# Altium PCB PCM2912_CODEC_PANEL.PcbDoc (part 3 of 3)
Units mil, origin at the board's own origin, x right, y up, seen from the top; angles counter-clockwise.
Board outline 3937.01 x 3937.01 mil, 2 copper layers (Top Layer, Bottom Layer); 208 components, 0 nets, 668 pads, 268 vias.
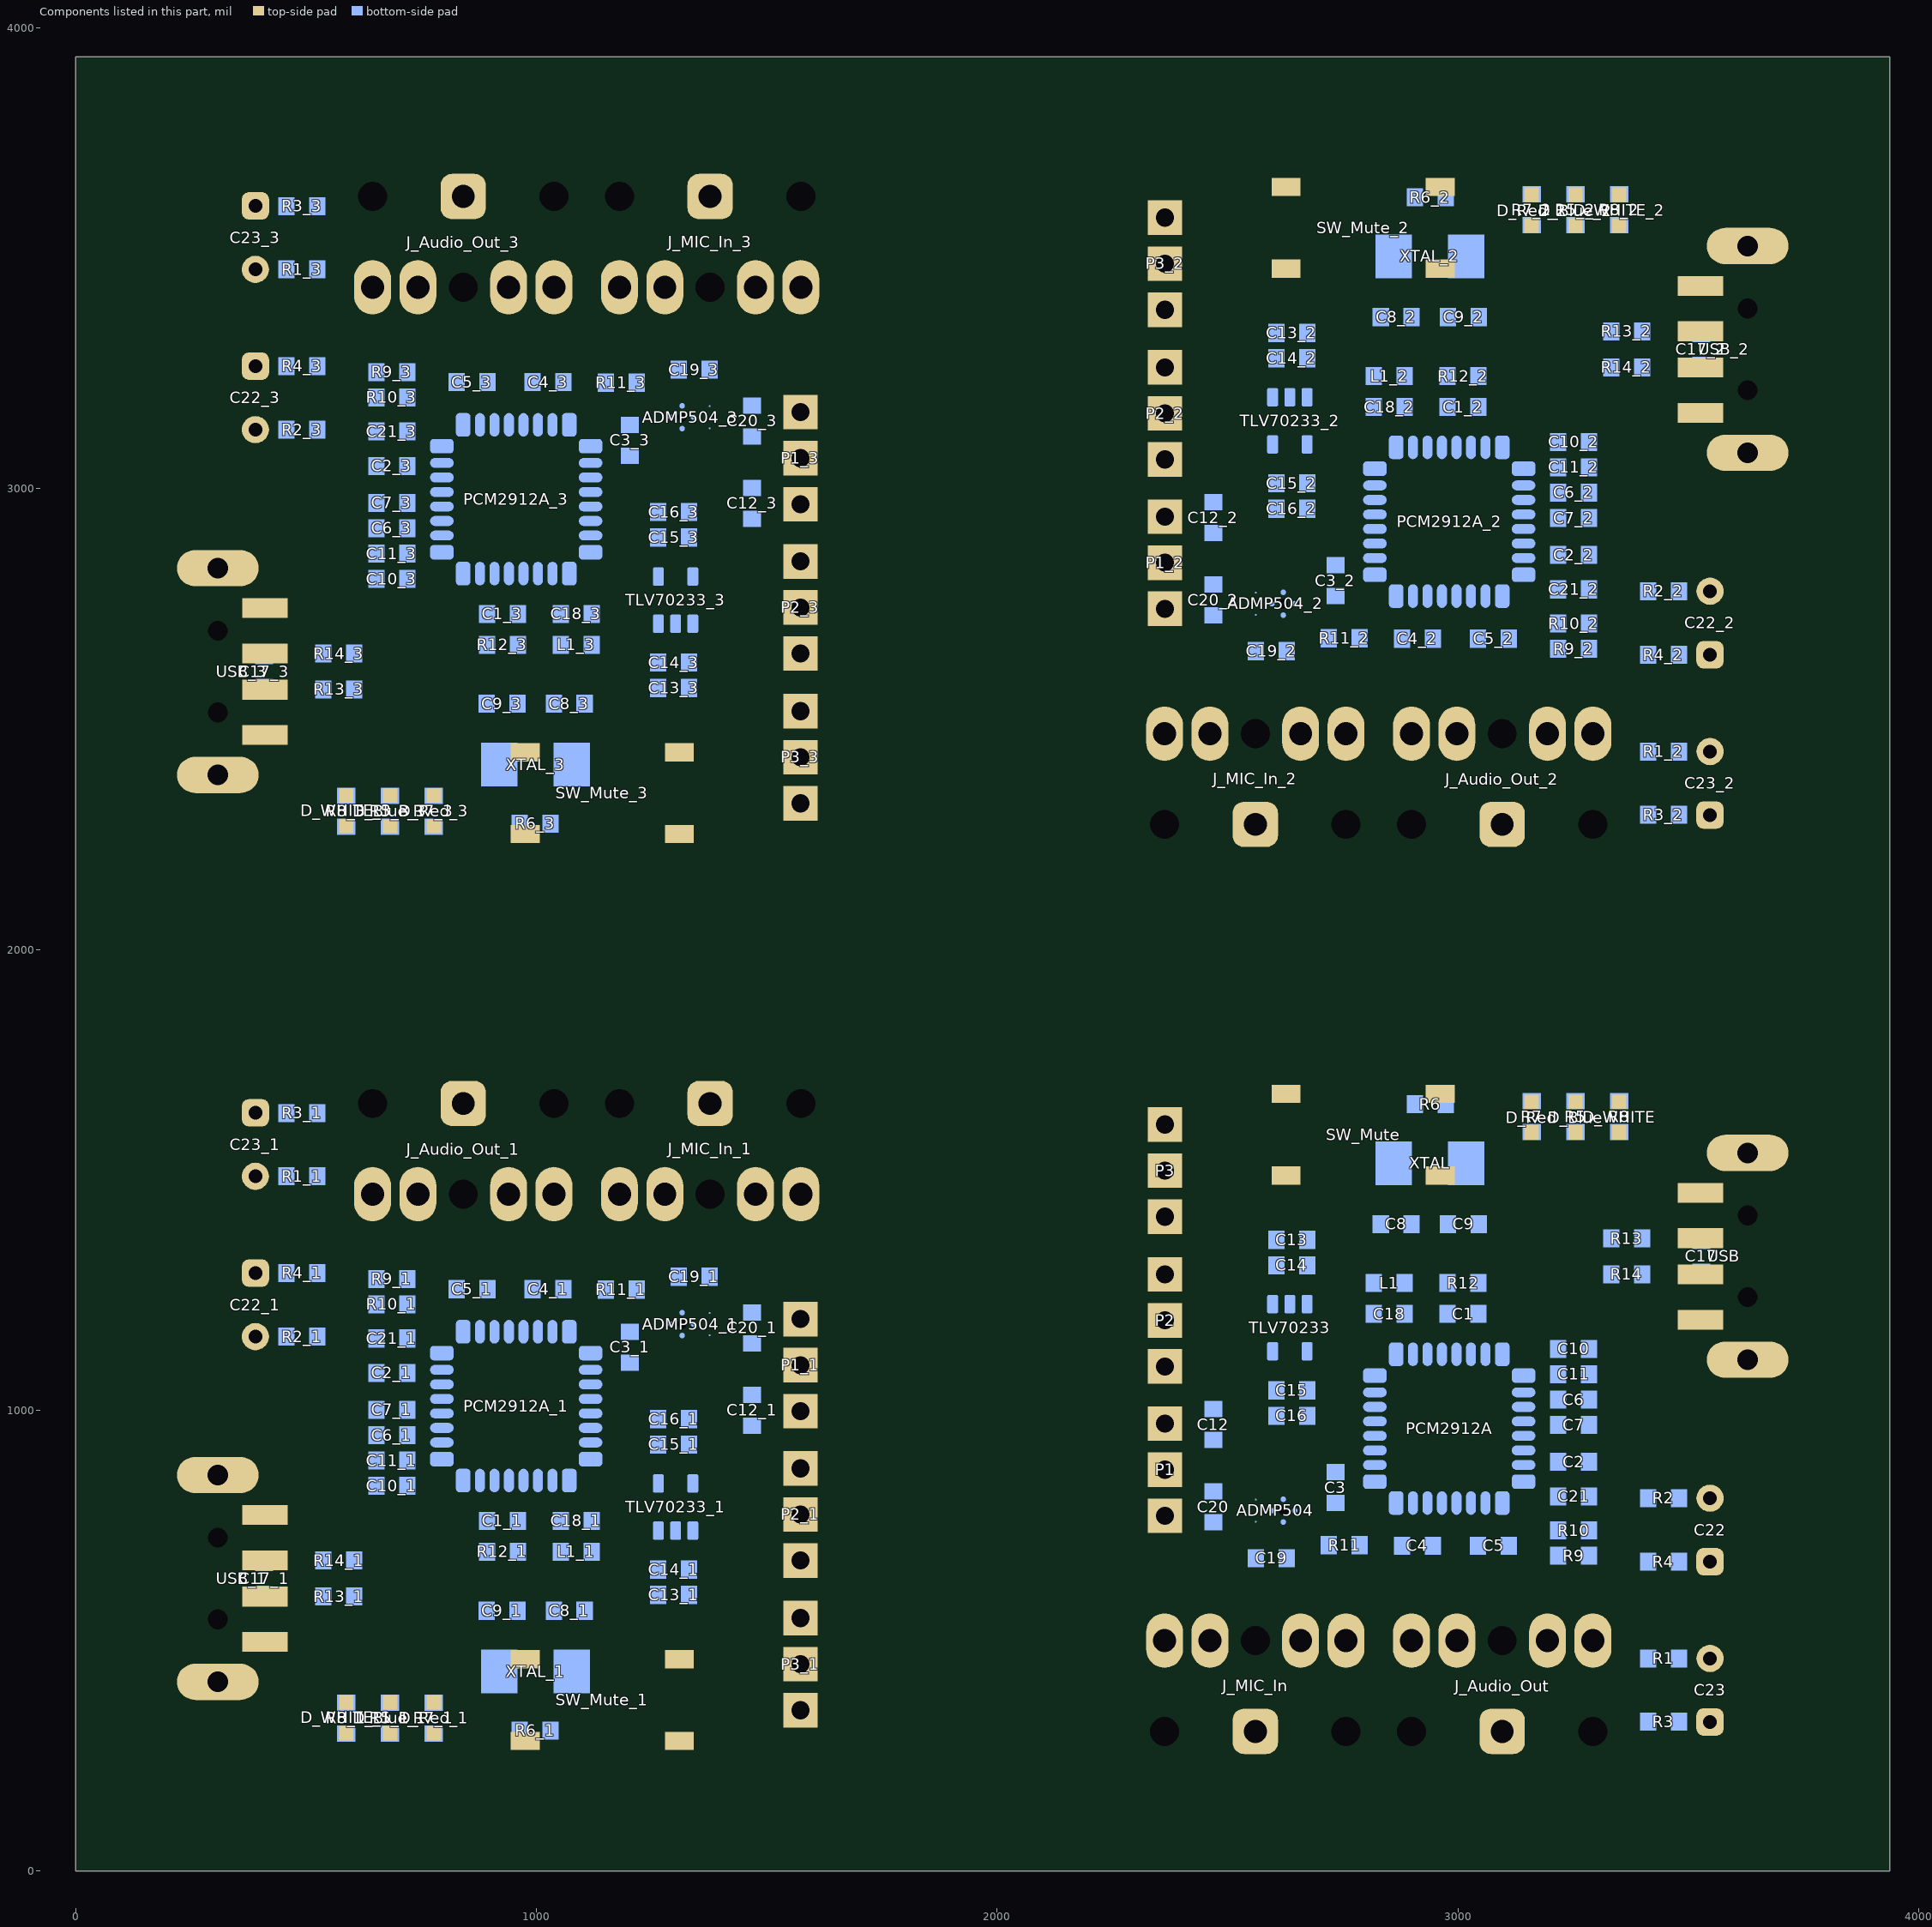
[diagram p3: the components of this part, seen from the top]

## Other copper (continued)
Bottom Layer:
  pour cut-out: 2531.63,831.06 2531.63,732.64 2663.52,732.64 2663.52,831.06
  pour cut-out: 1405.38,1137.44 1405.38,1235.87 1273.49,1235.87 1273.49,1137.44
  pour cut-out: 2531.63,2799.57 2531.63,2701.14 2663.52,2701.14 2663.52,2799.57
  pour cut-out: 1405.38,3105.94 1405.38,3204.37 1273.49,3204.37 1273.49,3105.94
  region: 2503.16,1116.85 cw(c2533.16,1116.85) 2533.16,1146.85 2614.16,1146.85 cw(c2614.16,1136.85) 2624.16,1136.85 2624.16,902.85 cw(c2593.16,902.85) 2593.16,871.85 2508.16,871.85 cw(c2508.16,876.85) 2503.16,876.85
  region: 2550.66,871.64 ccw(c2550.66,843.14) 2522.16,843.14 2522.16,840.85 2512.16,840.85 ccw(c2512.16,841.85) 2513.16,841.85 2513.16,885.85 2551.16,885.85
  region: 2503.16,1218.85 ccw(c2541.16,1218.85) 2541.16,1180.85 2609.16,1180.85 ccw(c2609.16,1181.85) 2610.16,1181.85 2610.16,1442.85 ccw(c2574.16,1442.85) 2574.16,1478.85 2543.16,1478.85 ccw(c2543.16,1438.85) 2503.16,1438.85
  region: 2835.16,1264.85 2835.16,1311.85 ccw(c2833.16,1311.85) 2833.16,1313.85 2772.16,1313.85 ccw(c2772.16,1301.85) 2760.16,1301.85 2760.16,1275.85 ccw(c2771.16,1275.85) 2771.16,1264.85
  region: 2914.16,866.85 ccw(c2934.16,866.85) 2934.16,846.85 2960.16,846.85 ccw(c2960.16,864.85) 2978.16,864.85 2978.16,893.85 ccw(c2961.16,893.85) 2961.16,910.85 2933.16,910.85 ccw(c2933.16,891.85) 2914.16,891.85
  region: 3040.16,857.85 ccw(c3060.16,857.85) 3060.16,837.85 3085.16,837.85 ccw(c3085.16,857.85) 3105.16,857.85 3105.16,883.85 ccw(c3086.16,883.85) 3086.16,902.85 3060.16,902.85 ccw(c3060.16,882.85) 3040.16,882.85
  region: 3471.16,1170.85 cw(c3452.16,1170.85) 3452.16,1151.85 3425.16,1151.85 cw(c3425.16,1170.85) 3406.16,1170.85 3406.16,1196.85 cw(c3425.16,1196.85) 3425.16,1215.85 3451.16,1215.85 cw(c3451.16,1195.85) 3471.16,1195.85
  region: 1433.85,851.65 cw(c1403.85,851.65) 1403.85,821.65 1322.85,821.65 cw(c1322.85,831.65) 1312.85,831.65 1312.85,1065.65 cw(c1343.85,1065.65) 1343.85,1096.65 1428.85,1096.65 cw(c1428.85,1091.65) 1433.85,1091.65
  region: 1386.35,1096.86 ccw(c1386.35,1125.36) 1414.85,1125.36 1414.85,1127.65 1424.85,1127.65 ccw(c1424.85,1126.65) 1423.85,1126.65 1423.85,1082.65 1385.85,1082.65
  region: 1433.85,749.65 ccw(c1395.85,749.65) 1395.85,787.65 1327.85,787.65 ccw(c1327.85,786.65) 1326.85,786.65 1326.85,525.65 ccw(c1362.85,525.65) 1362.85,489.65 1393.85,489.65 ccw(c1393.85,529.65) 1433.85,529.65
  region: 1101.85,703.65 1101.85,656.65 ccw(c1103.85,656.65) 1103.85,654.65 1164.85,654.65 ccw(c1164.85,666.65) 1176.85,666.65 1176.85,692.65 ccw(c1165.85,692.65) 1165.85,703.65
  region: 1022.85,1101.65 ccw(c1002.85,1101.65) 1002.85,1121.65 976.85,1121.65 ccw(c976.85,1103.65) 958.85,1103.65 958.85,1074.65 ccw(c975.85,1074.65) 975.85,1057.65 1003.85,1057.65 ccw(c1003.85,1076.65) 1022.85,1076.65
  region: 896.85,1110.65 ccw(c876.85,1110.65) 876.85,1130.65 851.85,1130.65 ccw(c851.85,1110.65) 831.85,1110.65 831.85,1084.65 ccw(c850.85,1084.65) 850.85,1065.65 876.85,1065.65 ccw(c876.85,1085.65) 896.85,1085.65
  region: 465.85,797.65 cw(c484.85,797.65) 484.85,816.65 511.85,816.65 cw(c511.85,797.65) 530.85,797.65 530.85,771.65 cw(c511.85,771.65) 511.85,752.65 485.85,752.65 cw(c485.85,772.65) 465.85,772.65
  region: 2503.16,3085.35 cw(c2533.16,3085.35) 2533.16,3115.35 2614.16,3115.35 cw(c2614.16,3105.35) 2624.16,3105.35 2624.16,2871.35 cw(c2593.16,2871.35) 2593.16,2840.35 2508.16,2840.35 cw(c2508.16,2845.35) 2503.16,2845.35
  region: 2550.66,2840.15 ccw(c2550.66,2811.65) 2522.16,2811.65 2522.16,2809.35 2512.16,2809.35 ccw(c2512.16,2810.35) 2513.16,2810.35 2513.16,2854.35 2551.16,2854.35
  region: 2503.16,3187.35 ccw(c2541.16,3187.35) 2541.16,3149.35 2609.16,3149.35 ccw(c2609.16,3150.35) 2610.16,3150.35 2610.16,3411.35 ccw(c2574.16,3411.35) 2574.16,3447.35 2543.16,3447.35 ccw(c2543.16,3407.35) 2503.16,3407.35
  region: 2835.16,3233.35 2835.16,3280.35 ccw(c2833.16,3280.35) 2833.16,3282.35 2772.16,3282.35 ccw(c2772.16,3270.35) 2760.16,3270.35 2760.16,3244.35 ccw(c2771.16,3244.35) 2771.16,3233.35
  region: 2914.16,2835.35 ccw(c2934.16,2835.35) 2934.16,2815.35 2960.16,2815.35 ccw(c2960.16,2833.35) 2978.16,2833.35 2978.16,2862.35 ccw(c2961.16,2862.35) 2961.16,2879.35 2933.16,2879.35 ccw(c2933.16,2860.35) 2914.16,2860.35
  region: 3040.16,2826.35 ccw(c3060.16,2826.35) 3060.16,2806.35 3085.16,2806.35 ccw(c3085.16,2826.35) 3105.16,2826.35 3105.16,2852.35 ccw(c3086.16,2852.35) 3086.16,2871.35 3060.16,2871.35 ccw(c3060.16,2851.35) 3040.16,2851.35
  region: 3471.16,3139.35 cw(c3452.16,3139.35) 3452.16,3120.35 3425.16,3120.35 cw(c3425.16,3139.35) 3406.16,3139.35 3406.16,3165.35 cw(c3425.16,3165.35) 3425.16,3184.35 3451.16,3184.35 cw(c3451.16,3164.35) 3471.16,3164.35
  region: 1433.85,2820.16 cw(c1403.85,2820.16) 1403.85,2790.16 1322.85,2790.16 cw(c1322.85,2800.16) 1312.85,2800.16 1312.85,3034.16 cw(c1343.85,3034.16) 1343.85,3065.16 1428.85,3065.16 cw(c1428.85,3060.16) 1433.85,3060.16
  region: 1386.35,3065.36 ccw(c1386.35,3093.86) 1414.85,3093.86 1414.85,3096.16 1424.85,3096.16 ccw(c1424.85,3095.16) 1423.85,3095.16 1423.85,3051.16 1385.85,3051.16
  region: 1433.85,2718.16 ccw(c1395.85,2718.16) 1395.85,2756.16 1327.85,2756.16 ccw(c1327.85,2755.16) 1326.85,2755.16 1326.85,2494.16 ccw(c1362.85,2494.16) 1362.85,2458.16 1393.85,2458.16 ccw(c1393.85,2498.16) 1433.85,2498.16
  region: 1101.85,2672.16 1101.85,2625.16 ccw(c1103.85,2625.16) 1103.85,2623.16 1164.85,2623.16 ccw(c1164.85,2635.16) 1176.85,2635.16 1176.85,2661.16 ccw(c1165.85,2661.16) 1165.85,2672.16
  region: 1022.85,3070.16 ccw(c1002.85,3070.16) 1002.85,3090.16 976.85,3090.16 ccw(c976.85,3072.16) 958.85,3072.16 958.85,3043.16 ccw(c975.85,3043.16) 975.85,3026.16 1003.85,3026.16 ccw(c1003.85,3045.16) 1022.85,3045.16
  region: 896.85,3079.16 ccw(c876.85,3079.16) 876.85,3099.16 851.85,3099.16 ccw(c851.85,3079.16) 831.85,3079.16 831.85,3053.16 ccw(c850.85,3053.16) 850.85,3034.16 876.85,3034.16 ccw(c876.85,3054.16) 896.85,3054.16
  region: 465.85,2766.16 cw(c484.85,2766.16) 484.85,2785.16 511.85,2785.16 cw(c511.85,2766.16) 530.85,2766.16 530.85,2740.16 cw(c511.85,2740.16) 511.85,2721.16 485.85,2721.16 cw(c485.85,2741.16) 465.85,2741.16

## Silkscreen, mask and mechanical layers (free items; w line width, h text height)
Top Overlay:
  drawing of 17570 lines, arcs and shapes, not listed
  text "MUTE" at 3055.16,3493.35 h60 r90
  text "500mA" at 2491.68,3488.96 h50 r90
  text "REC" at 3179.16,3386.35 h60 r90
  text "PLAY" at 3274.16,3386.35 h60 r90
  text "PWR" at 3370.16,3386.35 h60 r90
  text "100" at 2491.68,3378.96 h50 r90
  text "MIC" at 1420.85,3307.16 h60 r180
  text "PHONE" at 930.85,3303.16 h60 r180
  text "+20dB" at 2491.68,3174.96 h50 r90
  text "Ext" at 1445.33,3169.55 h50 r270
  text "Off" at 2491.68,3059.96 h50 r90
  text "MEMS" at 1445.33,3054.55 h50 r270
  text "MEMS" at 2491.68,2850.96 h50 r90
  text "Off" at 1445.33,2845.55 h50 r270
  text "Ext" at 2491.68,2735.96 h50 r90
  text "+20dB" at 1445.33,2730.55 h50 r270
  text "PHONE" at 3006.16,2602.35 h60
  text "MIC" at 2516.16,2598.35 h60
  text "100" at 1445.33,2526.55 h50 r270
  text "PWR" at 566.85,2519.16 h60 r270
  text "PLAY" at 662.85,2519.16 h60 r270
  text "REC" at 757.85,2519.16 h60 r270
  text "500mA" at 1445.33,2416.55 h50 r270
  text "MUTE" at 881.85,2412.16 h60 r270
  text "Designed By Wayne" at 350,1936 h150
  text "MUTE" at 3055.16,1524.85 h60 r90
  text "500mA" at 2491.68,1520.46 h50 r90
  text "REC" at 3179.16,1417.85 h60 r90
  text "PLAY" at 3274.16,1417.85 h60 r90
  text "PWR" at 3370.16,1417.85 h60 r90
  text "100" at 2491.68,1410.46 h50 r90
  text "MIC" at 1420.85,1338.65 h60 r180
  text "PHONE" at 930.85,1334.65 h60 r180
  text "+20dB" at 2491.68,1206.46 h50 r90
  text "Ext" at 1445.33,1201.04 h50 r270
  text "Off" at 2491.68,1091.46 h50 r90
  text "MEMS" at 1445.33,1086.04 h50 r270
  text "MEMS" at 2491.68,882.46 h50 r90
  text "Off" at 1445.33,877.04 h50 r270
  text "Ext" at 2491.68,767.46 h50 r90
  text "+20dB" at 1445.33,762.04 h50 r270
  text "PHONE" at 3006.16,633.85 h60
  text "MIC" at 2516.16,629.85 h60
  text "100" at 1445.33,558.04 h50 r270
  text "PWR" at 566.85,550.65 h60 r270
  text "PLAY" at 662.85,550.65 h60 r270
  text "REC" at 757.85,550.65 h60 r270
  text "500mA" at 1445.33,448.04 h50 r270
  text "MUTE" at 881.85,443.65 h60 r270
Bottom Overlay:
  drawing of 497 lines, arcs and shapes, not listed
  text "PCM2912 USB CODEC with MEMS MIC v1.0" at 2277.16,3683.35 h80 r90
  text "Designed By Wayne" at 259.85,3005.16 h80 r270
  text "Designed By Wayne" at 3677.16,2900.35 h80 r90
  text "PCM2912 USB CODEC with MEMS MIC v1.0" at 1659.85,2222.16 h80 r270
  text "PCM2912 USB CODEC with MEMS MIC v1.0" at 2277.16,1714.85 h80 r90
  text "Designed By Wayne" at 259.85,1036.65 h80 r270
  text "Designed By Wayne" at 3677.16,931.85 h80 r90
  text "PCM2912 USB CODEC with MEMS MIC v1.0" at 1659.85,253.65 h80 r270
Mechanical 1:
  drawing of 212 lines, arcs and shapes, not listed
  text "V-Cut" at -945.16,3715.16 h60
  text "V-Cut" at -960.35,2140.35 h60
  text "V-Cut" at -960.35,1746.65 h60
  text "1.0mm Drill Cut" at -1155,1555 h60
  text "V-Cut" at -945.16,171.85 h60
  text "V-Cut" at 221.85,-921.85 h60 r90
  text "V-Cut" at 1796.65,-921.85 h60 r90
  text "V-Cut" at 2190.35,-921.85 h60 r90
  text "V-Cut" at 3765.16,-921.85 h60 r90
Drill Drawing:
  text ".Legend" at 4629,66 h60